# Altium PCB Spektrop2_PCB_Combined_CMV4000_V2.PcbDoc (part 5 of 6)
Units mm, origin at the board's own origin, x right, y up, seen from the top; angles counter-clockwise.
Board outline 86 x 42 mm, 8 copper layers (TOP, L1-GND, L2, L3-1V8, L4-PWR, L5, L6-P2V5, BTM), stack 1.588 mm thick; 343 components, 311 nets, 1810 pads, 948 vias.
Unrouted connection lines stored in the file: 2.
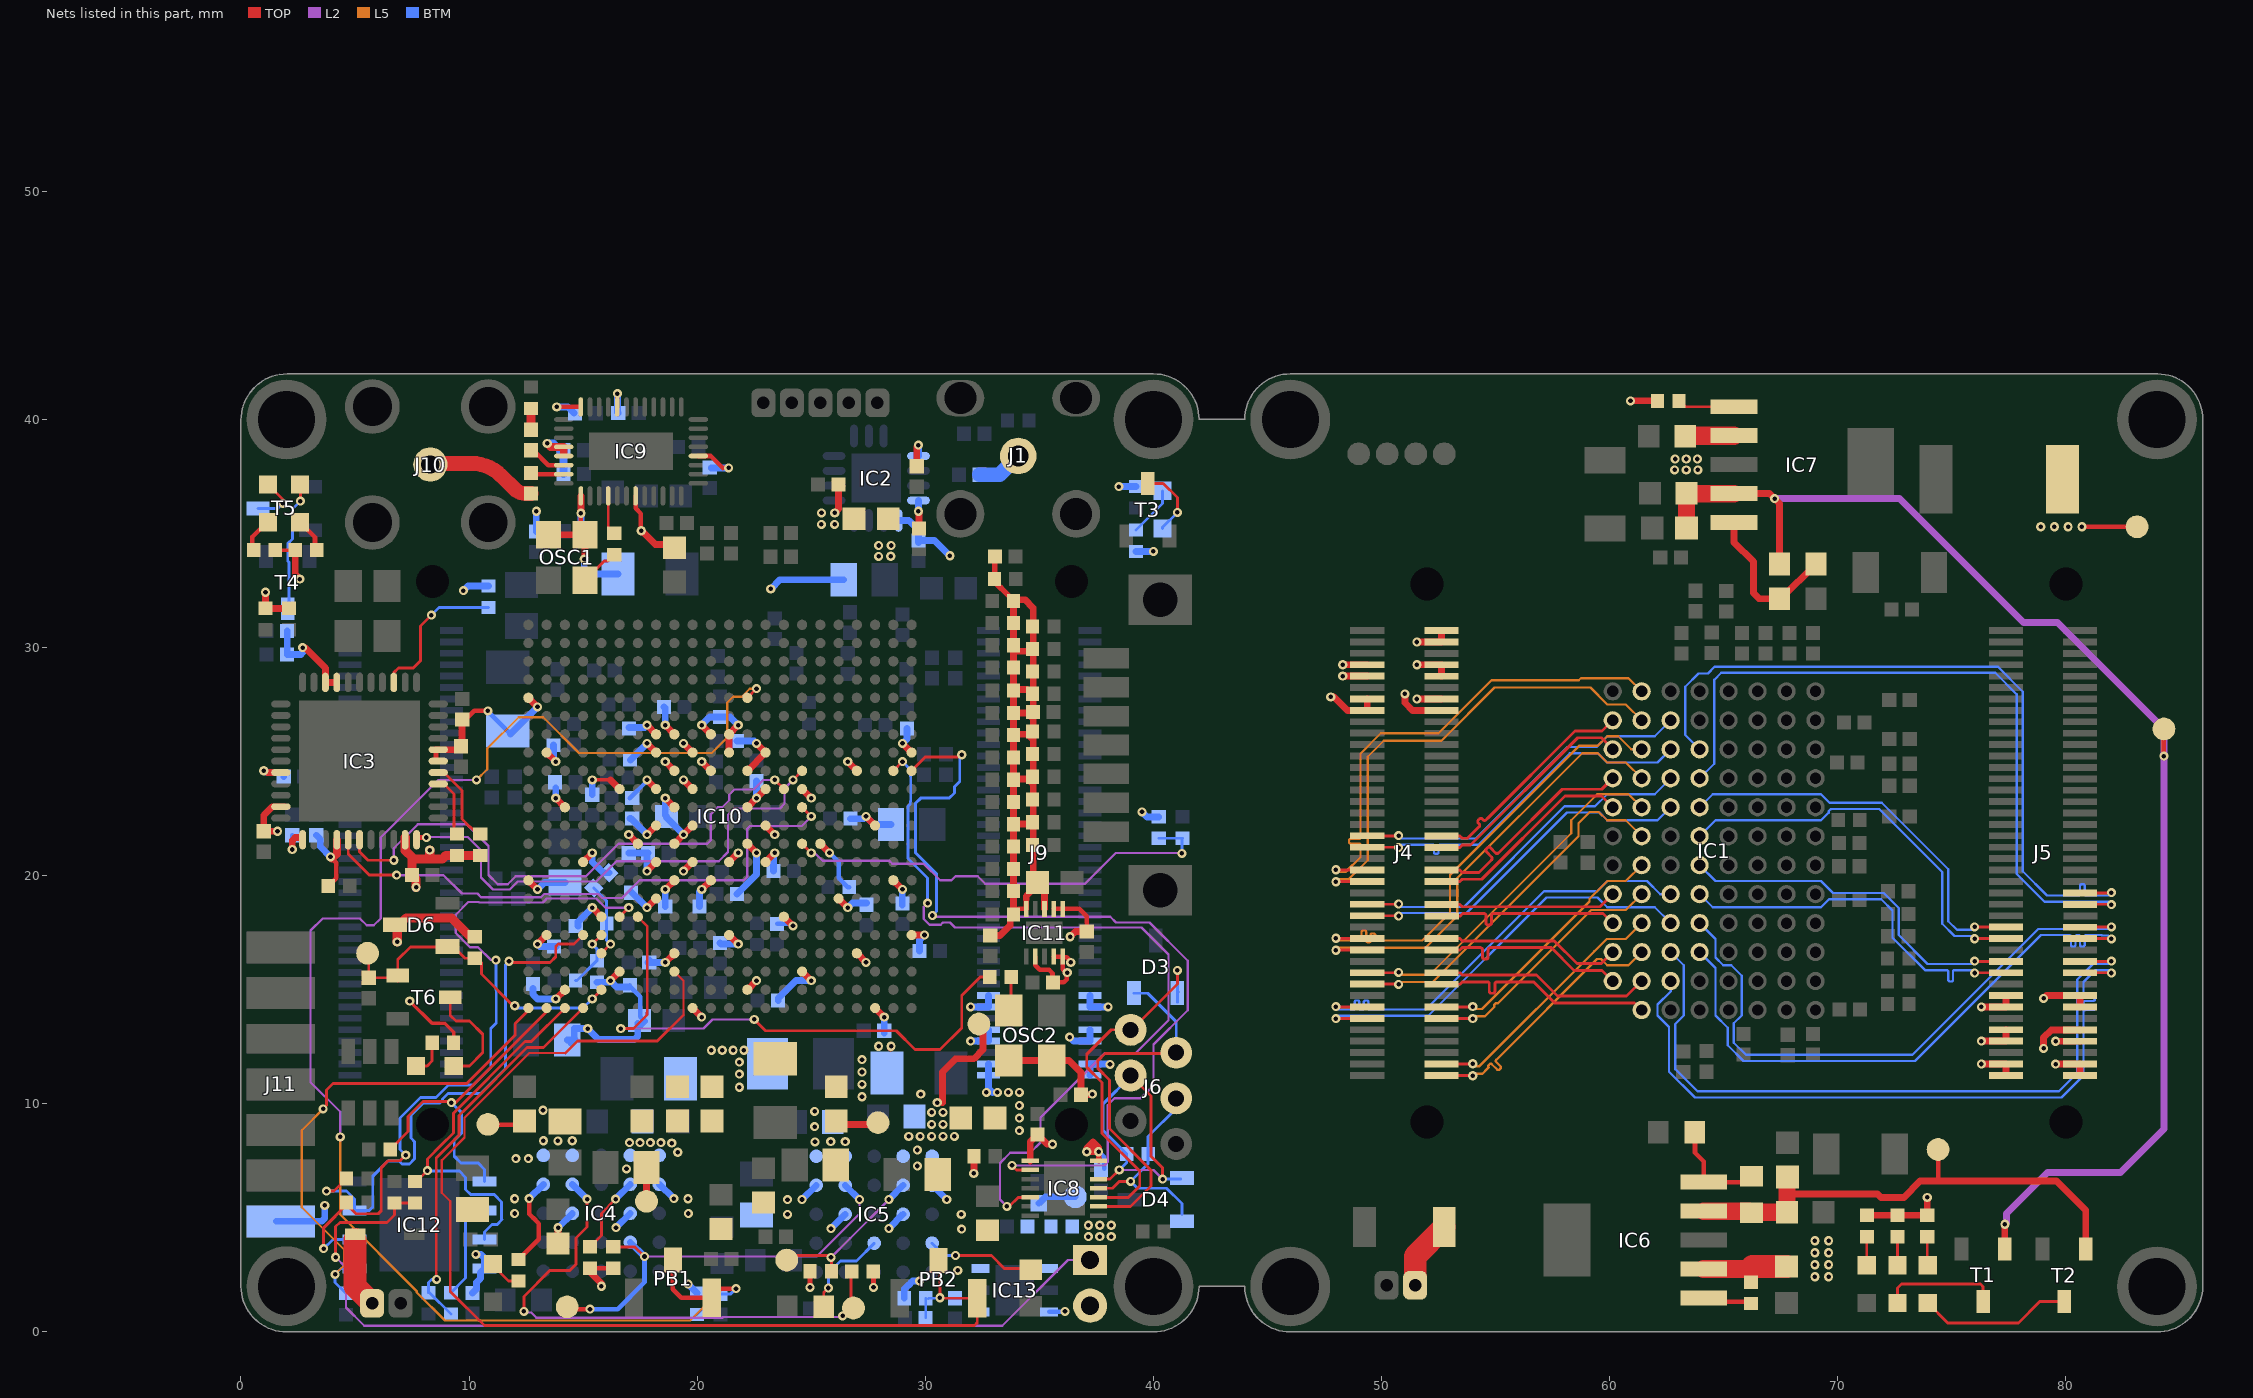
[diagram p11: the nets of this part, all layers, seen from the top]

## Via types
v1: diameter 0.4, hole 0.2, TOP to BTM, tented both sides, 941 vias
v2: diameter 0.4, hole 0.2, TOP to BTM, 7 vias

## Nets (pads, with @x,y where several pads share a name; then routed paths per layer and width w, separated by ;. In a path a pad name is that pad's centre, name@x,y a point inside that pad or via, vN(x,y) a via of type N, cw(c..) or ccw(c..) an arc to the next point about the centre after c; other vN are vias at no path point) (continued)
NetIC5_C4: IC5.C4 R20.2 | length 4.2
  TOP w0.125: R20.2@25.55,1.1 25.55,1.725 v1(25.75,1.925)
  BTM w0.125: v1@25.75,1.875 v1(25.75,1.925) 25.75,2.569 26.288,3.108 26.978,3.108 IC5.C4@27.76,3.89
NetIC5_E4: IC5.E4 R17.2 | length 4.5
  TOP w0.125: v1(31.325,3.35) 32.9,3.35 33.463,2.787 R17.2@34.35,2.787
  BTM w0.125: IC5.E4@30.3,3.89 30.84,3.35 v1(31.325,3.35)
NetIC6_1: IC6.1 R22.2 | length 2.1
  TOP w0.203: IC6.1@64.126,1.487 64.291,1.322 R22.2@66.206,1.322
NetIC6_5: IC6.5 R23.1 R24.2 | length 4.5
  TOP w0.203: R24.2@63.742,8.752 63.742,7.854 64.126,7.47 IC6.5@64.126,6.567 65.99,6.567 R23.1@66.206,6.783
NetIC7_1: IC7.1 R25.2 | length 2.5
  TOP w0.125: R25.2@63.03,40.835 63.056,40.835 63.33,40.561 IC7.1@65.45,40.561
NetIC7_5: IC7.5 R26.1 R27.2 | length 6.9
  TOP w0.3: IC7.5@65.45,35.481 65.45,34.614 66.3,33.764 66.3,32.396 66.554,32.142 R27.2@67.447,32.142 67.522,32.142 R26.1@69.047,33.667
NetIC9_32: IC9.32 R35.2 | length 1.7
  TOP w0.125: IC9.32@16.1,36.65 16.1,35.275 R35.2@16.361,35.015
NetJ12_1: J12.1 R81.2 R87.1 | length 42.1
  TOP w0.125: v1(4.15,3.275) 4.15,4.616 4.334,4.8 6.4,4.8 6.725,5.125 R87.1@6.725,5.655 R81.2@7.625,5.655 R81.2@7.675,5.655
  L2 w0.1: v1(4.15,3.275) 4.6,2.825 4.6,1.075 5.4,0.275 33.375,0.275 36.25,3.15 J12.1@37.225,3.15
NetLD1_2: LD1.2 R21.1 | length 1.5
  TOP w0.125: LD1.2@10.991,2.972 11.733,2.23 R21.1@12.16,2.23
NetLD2_2: LD2.2 R28.1 | length 1.3
  TOP w0.125: LD2.2@71.275,2.921 R28.1@71.275,4.176
NetLD3_1: LD3.1 T1.3 | length 5.2
  TOP w0.125: LD3.1@72.625,1.271 72.625,1.921 72.8,2.096 76.259,2.096 76.375,1.98 T1.3@76.375,1.33
NetLD3_2: LD3.2 R29.1 | length 1.3
  TOP w0.125: R29.1@72.624,4.176 72.624,2.922 LD3.2@72.625,2.921
NetLD4_1: LD4.1 T2.3 | length 6.7
  TOP w0.125: LD4.1@73.95,1.271 74.825,0.396 77.925,0.396 78.859,1.33 T2.3@79.925,1.33
NetLD4_2: LD4.2 R30.1 | length 1.3
  TOP w0.125: R30.1@73.925,4.176 73.925,2.946 LD4.2@73.95,2.921
NetLD5_1: LD5.1 T3.3 | length 3.2
  TOP w0.125: T3.3@39.753,37.197 40.428,37.197 41.05,36.575 v1(41.05,35.925)
  BTM w0.125: LD5.1@40.403,35.222 40.403,35.278 v1(41.05,35.925)
NetLD5_2: LD5.2 R39.1 | length 2.2
  BTM w0.125: R39.1@39.242,35.157 40.403,36.318 LD5.2@40.403,36.872
NetLD6_1: LD6.1 T4.3 | length 5.7
  TOP w0.125: LD6.1@2.586,37.121 2.605,37.102 v1(2.605,36.421)
  BTM w0.125: T4.3@2.05,31.7 2.113,31.763 2.113,33.736 2.05,33.798 2.05,34.552 2.263,34.764 2.263,36.078 v1(2.605,36.421)
NetLD6_2: LD6.2 R69.1 | length 1.5
  TOP w0.2: LD6.2@2.586,35.496 3.245,34.837 R69.1@3.245,34.275
NetLD7_1: LD7.1 T5.3 | length 2.3
  TOP w0.125: LD7.1@1.186,37.146 1.836,36.496 v1(1.836,36.321)
  BTM w0.125: T5.3@0.75,36.1 1.614,36.1 v1(1.836,36.321)
NetLD7_2: LD7.2 R70.1 | length 1.5
  TOP w0.2: R70.1@0.485,34.275 0.5,34.29 0.5,34.85 1.146,35.496 LD7.2@1.186,35.496
NetLD8_1: LD8.1 T6.3 | length 4.6
  TOP w0.125: T6.3@9.175,14.425 9.175,13.875 9.425,13.625 10.025,13.625 10.6,13.05 10.6,12.25 10.012,11.662 LD8.1@9.325,11.662
NetLD8_2: LD8.2 R82.1 | length 1.6
  TOP w0.125: LD8.2@7.675,11.662 8.163,11.662 8.38,11.88 R82.1@8.38,12.675 R82.1@8.38,12.725
NetOSC1_3: OSC1.3 R35.1 | length 1.8
  TOP w0.125: OSC1.3@15.075,32.95 15.925,33.8 16.086,33.8 R35.1@16.361,34.075
NetOSC2_3: OSC2.3 R75.2 | length 1.5
  TOP w0.125: OSC2.3@33.65,14.1 33.763,14.213 R75.2@33.763,15.557
nSDO0: C74.2 R34.1 | length 0.9
  TOP w0.4: C74.2@12.712,39.55 R34.1@12.712,40.48
nSDO0_C: C74.1 IC9.26 | length 1.7
  TOP w0.2: C74.1@12.712,38.65 12.825,38.65 13.475,38 IC9.26@14.15,38
OUT1_N: IC1.C2 J5.61 | length 32.2
  TOP w0.125: J5.61@80.626,15.746 81.987,15.746 v1(81.999,15.733)
  BTM w0.1: IC1.C2@62.675,15.381 62.675,14.924 62.1,14.349 62.1,13.873 62.605,13.368 62.605,11.409 63.738,10.276 79.812,10.276 80.775,11.239 80.775,13.846 80.775,13.911 80.775,14.041 cw(c80.845,14.041) 80.845,14.111 81.205,14.111 ccw(c81.205,14.181) 81.275,14.181 81.275,14.241 ccw(c81.205,14.241) 81.205,14.311 80.845,14.311 cw(c80.845,14.381) 80.775,14.381 80.775,14.441 cw(c80.845,14.441) 80.845,14.511 81.205,14.511 ccw(c81.205,14.581) 81.275,14.581 81.275,14.641 ccw(c81.205,14.641) 81.205,14.711 80.845,14.711 cw(c80.845,14.781) 80.775,14.781 80.775,14.911 80.775,15.111 80.775,15.211 80.775,15.336 81.3,15.861 81.872,15.861 v1(81.999,15.733)
OUT1_P: IC1.C3 J5.59 | length 31.2
  TOP w0.125: J5.59@80.626,16.246 81.987,16.246 v1(81.999,16.258)
  BTM w0.1: IC1.C3@62.675,16.651 63.25,16.076 63.25,13.873 62.875,13.498 62.875,11.521 63.85,10.546 79.7,10.546 80.505,11.351 80.505,15.448 81.188,16.131 81.872,16.131 v1(81.999,16.258)
OUT2_N: IC1.A2 J4.57 | length 9
  TOP w0.125: J4.57@52.626,16.742 53.438,16.742 53.541,16.845 54.05,16.845 54.175,16.845 54.338,16.845 cw(c54.338,16.758) 54.425,16.758 54.425,16.433 ccw(c54.513,16.433) 54.513,16.345 54.588,16.345 ccw(c54.588,16.433) 54.675,16.433 54.675,16.758 cw(c54.763,16.758) 54.763,16.845 54.85,16.845 57.451,16.845 58.445,15.851 59.665,15.851 IC1.A2@60.135,15.381
OUT2_P: IC1.A3 J4.55 | length 8.2
  TOP w0.125: J4.55@52.626,17.243 53.438,17.243 53.541,17.14 57.573,17.14 58.567,16.146 59.63,16.146 IC1.A3@60.135,16.651
OUT3_N: IC1.D3 J5.55 | length 27.2
  TOP w0.125: J5.55@80.626,17.246 81.987,17.246 v1(81.999,17.233)
  BTM w0.1: IC1.D3@63.945,16.651 64.64,15.956 64.64,13.873 65.175,13.338 65.175,12.564 65.863,11.876 73.387,11.876 78.907,17.396 79.925,17.396 80.025,17.396 80.155,17.396 cw(c80.155,17.326) 80.225,17.326 80.225,16.966 ccw(c80.295,16.966) 80.295,16.896 80.355,16.896 ccw(c80.355,16.966) 80.425,16.966 80.425,17.326 cw(c80.495,17.326) 80.495,17.396 80.555,17.396 cw(c80.555,17.326) 80.625,17.326 80.625,16.966 ccw(c80.695,16.966) 80.695,16.896 80.755,16.896 ccw(c80.755,16.966) 80.825,16.966 80.825,17.326 cw(c80.895,17.326) 80.895,17.396 81.025,17.396 81.1,17.396 81.575,17.396 81.588,17.383 81.849,17.383 v1(81.999,17.233)
OUT3_P: IC1.D4 J5.53 | length 26.8
  TOP w0.125: J5.53@80.626,17.746 81.987,17.746 v1(81.999,17.758)
  BTM w0.1: IC1.D4@63.945,17.921 64.64,17.226 64.64,16.413 64.977,16.076 65.333,16.076 65.79,15.619 65.79,13.873 65.445,13.528 65.445,12.676 65.975,12.146 73.275,12.146 78.795,17.666 81.907,17.666 v1(81.999,17.758)
OUT4_N: IC1.B3 J4.79 | length 12.1
  TOP w0.125: J4.79@52.626,11.242 53.988,11.242 v1(54,11.23)
  L5 w0.1: v1(54,11.23) 54.103,11.333 54.167,11.333 54.188,11.312 54.412,11.312 54.625,11.525 54.696,11.596 cw(c54.745,11.645) 54.696,11.695 54.738,11.737 cw(c54.788,11.688) 54.837,11.737 55.071,11.503 ccw(c55.121,11.553) 55.17,11.503 55.213,11.545 ccw(c55.163,11.595) 55.213,11.644 55.028,11.829 cw(c55.078,11.879) 55.028,11.928 55.036,11.935 59.45,16.35 59.623,16.35 59.897,16.076 60.83,16.076 IC1.B3@61.405,16.651
OUT4_P: IC1.B4 J4.77 | length 11.4
  TOP w0.125: J4.77@52.626,11.743 53.988,11.743 v1(54,11.755)
  L5 w0.1: v1(54,11.755) 54.103,11.653 54.3,11.653 59.332,16.684 59.874,17.226 60.71,17.226 IC1.B4@61.405,17.921
OUT5_N: IC1.A4 J4.51 | length 8.6
  TOP w0.125: J4.51@52.638,18.24 53.451,18.24 53.554,18.344 54.2,18.344 54.325,18.344 54.488,18.344 cw(c54.488,18.256) 54.575,18.256 54.575,17.931 ccw(c54.663,17.931) 54.663,17.844 54.738,17.844 ccw(c54.738,17.931) 54.825,17.931 54.825,18.256 cw(c54.913,18.256) 54.913,18.344 54.95,18.344 59.712,18.344 IC1.A4@60.135,17.921
OUT5_P: IC1.A5 J4.49 | length 7.8
  TOP w0.125: J4.49@52.626,18.742 53.438,18.742 53.542,18.639 59.582,18.639 IC1.A5@60.135,19.191
OUT6_N: IC1.C4 J4.70 | length 18.7
  TOP w0.125: v1(48.001,13.733) 48.013,13.746 J4.70@49.374,13.746
  BTM w0.1: v1(48.001,13.733) 48.128,13.861 52.047,13.861 57.232,19.046 59.467,19.046 59.897,18.616 61.98,18.616 IC1.C4@62.675,17.921
OUT6_P: IC1.C5 J4.68 | length 20
  TOP w0.125: v1(48.001,14.258) 48.013,14.246 J4.68@49.374,14.246
  BTM w0.1: v1(48.001,14.258) 48.128,14.131 48.725,14.131 48.755,14.131 ccw(c48.755,14.201) 48.825,14.201 48.825,14.461 cw(c48.895,14.461) 48.895,14.531 48.955,14.531 cw(c48.955,14.461) 49.025,14.461 49.025,14.201 ccw(c49.095,14.201) 49.095,14.131 49.155,14.131 ccw(c49.155,14.201) 49.225,14.201 49.225,14.461 cw(c49.295,14.461) 49.295,14.531 49.355,14.531 cw(c49.355,14.461) 49.425,14.461 49.425,14.201 ccw(c49.495,14.201) 49.495,14.131 49.625,14.131 49.675,14.131 51.935,14.131 57.12,19.316 59.447,19.316 59.897,19.766 61.643,19.766 62.218,19.191 IC1.C5@62.675,19.191
OUT7_N: IC1.B5 J4.69 | length 11.1
  TOP w0.125: J4.69@52.626,13.746 53.987,13.746 v1(53.999,13.733)
  L5 w0.1: v1(53.999,13.733) 54.102,13.836 54.533,13.836 54.884,14.187 54.955,14.258 cw(c55.004,14.307) 54.955,14.357 54.997,14.399 cw(c55.046,14.35) 55.096,14.399 55.159,14.462 59.193,18.496 60.71,18.496 IC1.B5@61.405,19.191
OUT7_P: IC1.B6 J4.67 | length 11.5
  TOP w0.125: J4.67@52.626,14.246 53.987,14.246 v1(53.999,14.258)
  L5 w0.1: v1(53.999,14.258) 54.102,14.156 54.4,14.156 59.115,18.871 59.115,18.984 59.897,19.766 60.71,19.766 IC1.B6@61.405,20.461
OUT8_N: IC1.D5 J5.62 | length 16.7
  TOP w0.125: v1(76.001,15.733) 76.013,15.746 J5.62@77.374,15.746
  BTM w0.1: IC1.D5@63.945,19.191 64.52,18.616 69.263,18.616 69.618,18.971 71.91,18.971 72.405,18.476 72.405,17.284 73.828,15.861 74.55,15.861 74.65,15.861 74.78,15.861 cw(c74.78,15.791) 74.85,15.791 74.85,15.431 ccw(c74.92,15.431) 74.92,15.361 74.98,15.361 ccw(c74.98,15.431) 75.05,15.431 75.05,15.791 cw(c75.12,15.791) 75.12,15.861 75.25,15.861 75.425,15.861 75.873,15.861 v1(76.001,15.733)
OUT8_P: IC1.D6 J5.60 | length 16
  TOP w0.125: v1(76.001,16.258) 76.013,16.246 J5.60@77.374,16.246
  BTM w0.1: IC1.D6@63.945,20.461 64.64,19.766 69.263,19.766 69.788,19.241 72.022,19.241 72.675,18.588 72.675,17.396 73.94,16.131 75.873,16.131 v1(76.001,16.258)
OUT9_N: IC1.D7 J5.56 | length 17.7
  TOP w0.125: v1(76,17.233) 76.012,17.246 J5.56@77.374,17.246
  BTM w0.1: IC1.D7@63.945,21.731 64.64,22.426 69.263,22.426 69.6,22.763 69.6,22.826 69.7,22.926 71.82,22.926 74.58,20.166 74.58,17.894 75.113,17.361 75.873,17.361 v1(76,17.233)
OUT9_P: IC1.D8 J5.54 | length 17.5
  TOP w0.125: v1(76,17.758) 76.012,17.746 J5.54@77.374,17.746
  BTM w0.1: IC1.D8@63.945,23.001 64.52,23.576 69.263,23.576 69.643,23.196 71.932,23.196 74.845,20.283 74.85,20.278 74.85,18.006 75.225,17.631 75.873,17.631 v1(76,17.758)
OUT10_N: IC1.B7 J4.64 | length 15.9
  TOP w0.125: J4.64@49.374,15.246 50.738,15.246 v1(50.75,15.233)
  L5 w0.1: v1(50.75,15.233) 50.853,15.336 52.242,15.336 58.633,21.726 58.633,22.301 59.126,22.795 59.528,22.795 59.897,22.426 60.71,22.426 IC1.B7@61.405,21.731
OUT10_P: IC1.B8 J4.62 | length 15.9
  TOP w0.125: J4.62@49.374,15.746 50.738,15.746 v1(50.75,15.758)
  L5 w0.1: v1(50.75,15.758) 50.853,15.656 51.6,15.656 52.11,15.656 58.313,21.858 58.313,22.433 59.455,23.576 60.83,23.576 IC1.B8@61.405,23.001
OUT11_N: IC1.C8 J4.52 | length 15.6
  TOP w0.125: J4.52@49.374,18.246 50.737,18.246 v1(50.749,18.234)
  BTM w0.1: v1(50.749,18.234) 50.877,18.361 53.722,18.361 58.132,22.771 59.552,22.771 59.897,22.426 62.1,22.426 IC1.C8@62.675,23.001
OUT11_P: IC1.C9 J4.50 | length 15.7
  TOP w0.125: J4.50@49.375,18.746 50.737,18.746 v1(50.749,18.759)
  BTM w0.1: v1(50.749,18.759) 50.877,18.631 53.61,18.631 58.02,23.041 59.362,23.041 59.897,23.576 61.98,23.576 IC1.C9@62.675,24.271
OUT12_N: IC1.A8 J4.45 | length 9.3
  TOP w0.125: J4.45@52.626,19.743 53.438,19.743 53.541,19.845 54.391,19.845 58.042,23.496 59.64,23.496 IC1.A8@60.135,23.001
OUT12_P: IC1.A9 J4.43 | length 10.1
  TOP w0.125: J4.43@52.626,20.243 53.438,20.243 53.541,20.14 54.269,20.14 54.8,20.671 54.827,20.698 ccw(c54.765,20.759) 54.827,20.821 54.597,21.051 cw(c54.659,21.113) 54.597,21.175 54.65,21.228 cw(c54.712,21.166) 54.773,21.228 55.003,20.998 ccw(c55.065,21.06) 55.127,20.998 55.212,21.083 57.92,23.791 59.655,23.791 IC1.A9@60.135,24.271
OUT13_N: IC1.B9 J4.58 | length 19.9
  TOP w0.125: v1(48.001,16.733) 48.013,16.746 J4.58@49.374,16.746
  L5 w0.1: v1(48.001,16.733) 48.103,16.836 51.917,16.836 53.32,18.238 53.32,19.896 58.795,25.371 59.492,25.371 59.897,24.966 60.71,24.966 IC1.B9@61.405,24.271
  L5 w0.125: v1(48.001,16.733) v1@48.001,16.823
OUT13_P: IC1.B10 J4.56 | length 21.3
  TOP w0.125: v1(48.001,17.258) 48.013,17.246 J4.56@49.374,17.246
  L5 w0.1: v1(48.001,17.258) 48.103,17.156 49.025,17.156 49.055,17.156 ccw(c49.055,17.226) 49.125,17.226 49.125,17.532 cw(c49.195,17.532) 49.195,17.602 49.255,17.602 cw(c49.255,17.532) 49.325,17.532 49.325,17.156 ccw(c49.395,17.156) 49.395,17.086 49.455,17.086 ccw(c49.455,17.156) 49.525,17.156 49.525,17.397 cw(c49.595,17.397) 49.595,17.467 49.655,17.467 cw(c49.655,17.397) 49.725,17.397 49.725,17.226 ccw(c49.795,17.226) 49.795,17.156 49.9,17.156 51.785,17.156 53,18.371 53,20.029 58.662,25.691 59.472,25.691 59.897,26.116 60.373,26.116 60.948,25.541 IC1.B10@61.405,25.541
  L5 w0.125: v1@48.001,17.168 v1(48.001,17.258)
OUT14_N: IC1.D9 J5.49 | length 32.3
  TOP w0.125: J5.49@80.626,18.746 81.987,18.746 v1(81.999,18.733)
  BTM w0.1: IC1.D9@63.945,24.271 64.586,24.913 64.586,28.585 64.898,28.896 76.9,28.896 77.842,27.954 77.842,20.082 79.063,18.861 81.872,18.861 v1(81.999,18.733)
OUT14_P: IC1.D10 J5.47 | length 33.1
  TOP w0.125: J5.47@80.626,19.246 81.987,19.246 v1(81.999,19.258)
  BTM w0.1: IC1.D10@63.945,25.541 63.316,26.17 63.316,28.287 63.891,28.862 64.309,28.862 64.613,29.166 77.012,29.166 78.112,28.066 78.112,20.194 79.175,19.131 80.125,19.131 80.225,19.131 80.425,19.131 80.555,19.131 ccw(c80.555,19.201) 80.625,19.201 80.625,19.561 cw(c80.695,19.561) 80.695,19.631 80.755,19.631 cw(c80.755,19.561) 80.825,19.561 80.825,19.201 ccw(c80.895,19.201) 80.895,19.131 80.95,19.131 81.872,19.131 v1(81.999,19.258)
OUT15_N: IC1.A10 J4.39 | length 9.7
  TOP w0.125: J4.39@52.626,21.243 53.438,21.243 53.54,21.345 53.897,21.345 58.603,26.051 59.65,26.051 60.135,25.566 IC1.A10@60.135,25.541
OUT15_P: IC1.A11 J4.37 | length 10
  TOP w0.125: J4.37@52.626,21.742 53.438,21.742 53.54,21.64 53.775,21.64 54.256,22.121 54.282,22.148 ccw(c54.221,22.209) 54.282,22.271 54.241,22.313 cw(c54.303,22.375) 54.241,22.437 54.294,22.49 cw(c54.356,22.428) 54.418,22.49 54.459,22.448 ccw(c54.521,22.51) 54.583,22.448 54.678,22.543 58.481,26.346 59.67,26.346 IC1.A11@60.135,26.811
OUT16_N: IC1.C10 J4.40 | length 16.1
  TOP w0.125: J4.40@49.375,21.246 50.737,21.246 v1(50.749,21.234)
  BTM w0.1: v1(50.749,21.234) 50.877,21.361 52,21.361 52.1,21.361 52.23,21.361 cw(c52.23,21.291) 52.3,21.291 52.3,21.031 ccw(c52.37,21.031) 52.37,20.961 52.43,20.961 ccw(c52.43,21.031) 52.5,21.031 52.5,21.291 cw(c52.57,21.291) 52.57,21.361 52.7,21.361 52.85,21.361 54.247,21.361 58.257,25.371 59.492,25.371 59.897,24.966 62.1,24.966 IC1.C10@62.675,25.541
OUT16_P: IC1.C11 J4.38 | length 15.5
  TOP w0.125: J4.38@49.375,21.746 50.737,21.746 v1(50.749,21.759)
  BTM w0.1: v1(50.749,21.759) 50.877,21.631 54.135,21.631 58.145,25.641 59.422,25.641 59.897,26.116 61.98,26.116 IC1.C11@62.675,26.811
OUTCLK_N: IC1.B11 J4.46 | length 21.6
  TOP w0.125: v1(48,19.737) 48.012,19.749 J4.46@49.374,19.75
  L5 w0.1: v1(48,19.737) 48.103,19.839 48.558,19.839 49.395,20.677 49.395,25.216 50.1,25.921 52.628,25.921 54.953,28.246 59.157,28.246 59.897,27.506 60.71,27.506 IC1.B11@61.405,26.811
OUTCLK_P: IC1.B12 J4.44 | length 22.1
  TOP w0.125: v1(48,20.262) 48.012,20.25 J4.44@49.374,20.25
  L5 w0.1: v1(48,20.262) 48.102,20.159 48.425,20.159 49.075,20.809 49.075,21.311 49.075,21.341 ccw(c49.005,21.341) 49.005,21.411 48.647,21.411 cw(c48.647,21.481) 48.577,21.481 48.577,21.541 cw(c48.647,21.541) 48.647,21.611 49.005,21.611 ccw(c49.005,21.681) 49.075,21.681 49.075,21.811 49.075,25.349 49.967,26.241 52.495,26.241 54.82,28.566 58.65,28.566 58.74,28.656 60.83,28.656 IC1.B12@61.405,28.081
OUTCTR_N: IC1.B1 J4.63 | length 10.2
  TOP w0.125: J4.63@52.626,15.242 53.438,15.242 53.541,15.345 54.35,15.345 54.475,15.345 54.638,15.345 cw(c54.638,15.257) 54.725,15.257 54.725,14.932 ccw(c54.813,14.932) 54.813,14.845 54.888,14.845 ccw(c54.888,14.932) 54.975,14.932 54.975,15.257 cw(c55.063,15.257) 55.063,15.345 55.225,15.345 55.475,15.345 55.515,15.345 56.676,15.345 57.595,14.426 61.09,14.426 IC1.B1@61.405,14.111
OUTCTR_P: IC1.B2 J4.61 | length 9.5
  TOP w0.125: J4.61@52.626,15.743 53.438,15.743 53.541,15.64 56.798,15.64 57.717,14.721 60.745,14.721 IC1.B2@61.405,15.381
P0V9: C89.2 C90.2 C93.2 C171.2 IC11.3 IC11.5 R43.2 R44.2 R45.2 R46.2 R47.2 R48.2 R49.2 R50.2 R51.2 R52.2 R53.2 R54.2 R55.2 R56.2 R57.2 R58.2 R59.2 R60.2 R61.2 R62.2 R63.2 R64.2 R65.2 R66.2 R67.2 R68.2 | length 40
  TOP w0.2: R53.2@33.807,18.288 33.87,18.35 34.07,18.55 IC11.5@34.425,18.55 ; R53.2@33.82,18.225 33.87,18.275 R53.2@33.883,18.288
  TOP w0.25: C89.2@33.05,34 33.05,33.02 R48.2@33.03,33 33.03,32.89 33.31,32.61 33.324,32.61 33.87,32.064 R47.2@33.87,32.05 ; IC11.5@34.425,18.55 34.425,18.985
  TOP w0.3: C90.2@32.85,17.375 33.275,17.375 33.722,17.822 33.722,18.128 R53.2@33.82,18.225 ; R53.2@33.82,18.275 R53.2@33.82,18.225 ; R47.2@33.87,32.05 R46.2@33.87,31.075 R44.2@33.87,30.1 R44.2@33.87,29.838 ; R47.2@33.87,32.064 33.87,32.1 34.375,32.1 34.73,31.745 R45.2@34.73,29.838 ; 34.425,18.985 34.425,19.1 C93.2@35.025,19.7 ; IC11.3@35.225,18.55 35.225,19.5 C93.2@35.025,19.7 ; R53.2@33.82,18.225 33.87,18.275 R53.2@33.87,18.3 33.87,18.35 R57.2@33.87,20.3 R56.2@33.87,21.277 R67.2@33.87,22.254 R67.2@33.87,22.267 ; R67.2@33.87,22.267 34.551,22.267 R51.2@34.73,22.088 ; R67.2@33.87,22.267 R66.2@33.87,23.231 R68.2@33.87,24.208 R68.2@33.87,24.233 ; R68.2@33.87,24.233 34.522,24.233 R52.2@34.73,24.025 ; R68.2@33.87,24.233 R63.2@33.87,25.185 R62.2@33.87,26.162 R62.2@33.87,26.2 ; R62.2@33.87,26.2 34.492,26.2 34.73,25.963 ; R62.2@33.87,26.2 R65.2@33.87,27.138 ; R65.2@33.87,27.138 R64.2@33.87,28.115 R64.2@33.87,28.167 ; R65.2@33.87,27.138 34.492,27.138 C171.2@34.73,26.9 ; R64.2@33.87,28.167 34.463,28.167 R60.2@34.73,27.9 ; R64.2@33.87,28.167 R50.2@33.87,29.125 R44.2@33.87,29.838 ; R44.2@33.87,29.838 R45.2@34.73,29.838 ; R51.2@34.73,22.088 R52.2@34.73,24.025 ; R51.2@34.73,22.088 34.73,19.995 C93.2@35.025,19.7 ; R52.2@34.73,24.025 34.73,25.963 ; 34.73,25.963 C171.2@34.73,26.9 ; C171.2@34.73,26.9 R60.2@34.73,27.9 ; R60.2@34.73,27.9 R45.2@34.73,29.838
P1V0: C109.1 C110.1 C111.1 C112.1 C113.1 C121.1 C122.1 C123.1 C124.1 C125.1 C126.1 C127.1 C143.1 C144.1 C145.1 IC10.G15 IC10.H12 IC10.H14 IC10.J9 IC10.J11 IC10.J13 IC10.J15 IC10.K10 IC10.L9 IC10.L15 IC10.M10 IC10.N9 IC10.N15 IC10.P10 IC10.R9 IC10.R15 L3.2 L4.2 | length 21.6
  TOP w0.3: v1(17.799,18.6) IC10.G15@18.199,19 ; v1(17.799,20.2) IC10.J15@18.199,20.6 ; v1(17.799,21.8) IC10.L15@18.199,22.2 ; v1(17.799,24.2) IC10.N15@18.199,23.8 ; v1(17.799,25.8) IC10.R15@18.199,25.4 ; v1(18.599,19.4) IC10.H14@18.999,19.8 ; v1(19.399,20.2) IC10.J13@19.799,20.6 ; v1(20.199,19.4) IC10.H12@20.599,19.8 ; IC10.J11@21.399,20.6 v1(21.799,21) ; IC10.K10@22.199,21.4 v1(22.599,21) ; IC10.M10@22.199,23 v1(22.599,23.4) IC10.N9@22.999,23.8 ; IC10.P10@22.199,24.6 IC10.R9@22.999,25.4 v1(22.599,25.8) ; IC10.J9@22.999,20.6 v1(23.399,21) ; IC10.L9@22.999,22.2 v1(23.399,21.8)
  BTM w0.2: C127.1@17.05,23.4 v1@17.799,24.149 ; v1@22.597,21.002 v1(22.599,21) ; v1@23.349,21.05 v1(23.399,21)
  BTM w0.3: C125.1@16.999,21 C126.1@17.799,21 ; C122.1@17.049,22.51 17.089,22.51 v1(17.799,21.8) ; C110.1@17.075,25.075 v1(17.799,25.8) ; C123.1@17.124,19.274 v1(17.799,18.6) ; v1(17.799,20.2) C126.1@17.799,21 ; v1@17.799,24.149 v1(17.799,24.2) ; C126.1@17.85,21 C126.1@17.799,21 ; C121.1@18.599,18.65 v1(18.599,19.4) ; C113.1@20.1,18.65 20.1,19.3 v1(20.199,19.4) ; C124.1@21.75,19.2 22.597,20.047 v1@22.597,21.002 ; C144.1@21.75,25.9 22.499,25.9 v1(22.599,25.8) ; v1@22.6,23.4 C145.1@22.6,24.15 ; C111.1@23.35,20.2 23.35,20.95 v1(23.399,21)
  other v1: 21.85,10.725 21.85,11.3 21.85,11.825 20.625,12.35 21.1,12.35 21.575,12.35 22.05,12.35
P1V0_EN: IC4.D2 R12.2 | length 3.4
  TOP w0.125: R12.2@15.3,3.73 15.797,4.227 15.797,5.198 v1(16.425,5.825)
  BTM w0.3: v1@16.44,5.845 IC4.D2@17.065,6.47
P1V0_L: C53.2 C54.2 IC4.D1 IC4.E1 L3.1 L4.1 L5.1 TP5.1 | length 2.1
  TOP w0.3: TP5.1@17.775,5.725 C53.2@17.775,7.2
  TOP w0.5: L5.1@17.575,9.25 L5.1@17.7,9.125 ; L4.1@19.1,9.25 L4.1@19.137,9.213 ; L4.1@19.137,9.125 L4.1@19.137,9.213 ; L4.1@19.137,9.25 L4.1@19.137,9.213 ; L4.1@19.175,9.25 19.15,9.225 19.175,9.2 19.175,9.175 L4.1@19.137,9.213 ; L3.1@20.7,9.125 L3.1@20.7,9.25